# KiCad board ECUGDI.kicad_pcb (continued)
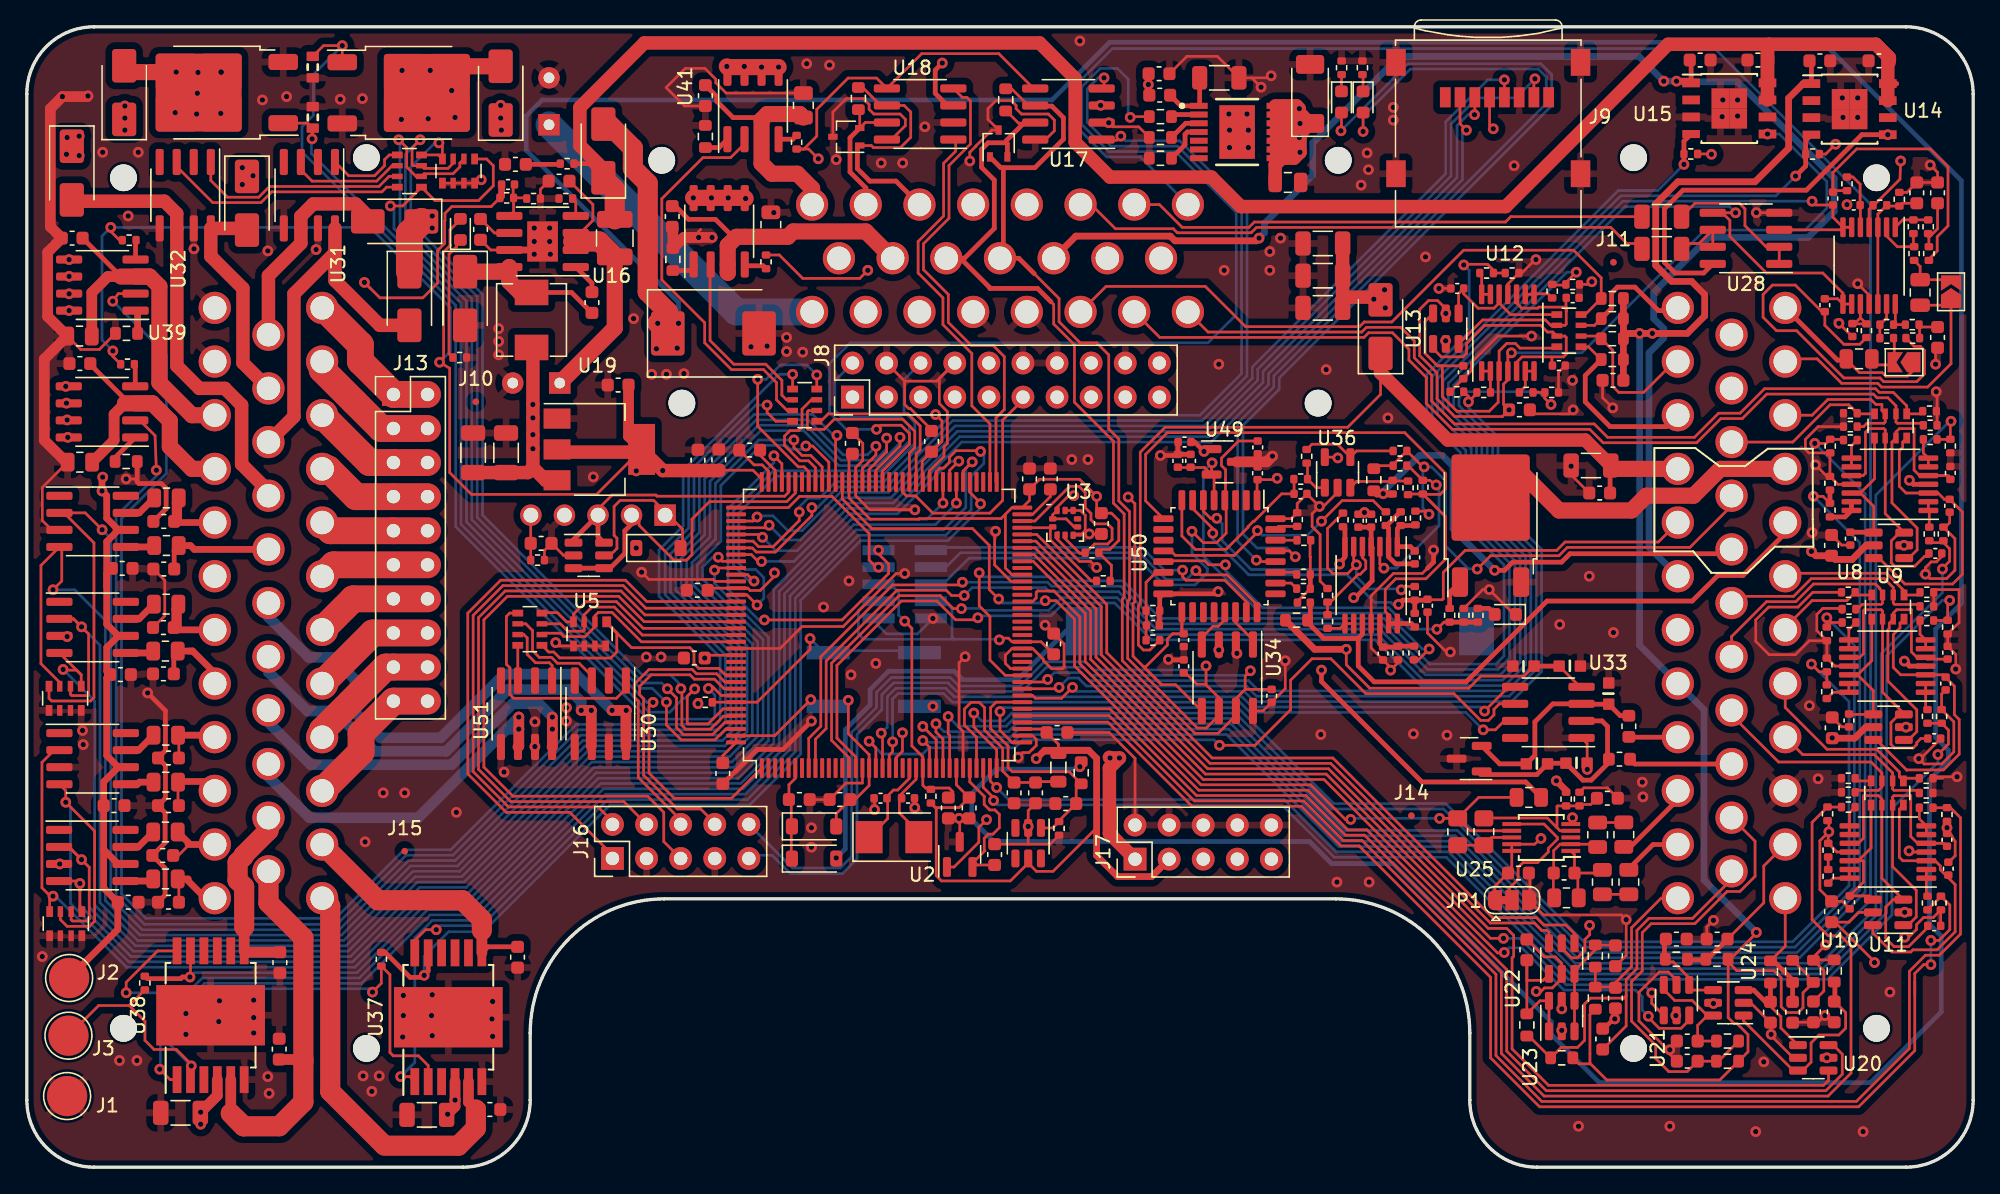
[diagram p0: board, top side]
## Routing (per net, layer and track width the routed paths; a pad name or vN(x,y) marks a point on that pad's centre or on a via; arc(x,y) is an arc through that point) (continued)
  Bottom w0.2: 72.2,28.25 v1(72.25,28.3) 73.15,27.4 93.67,27.4 97.57,23.5 105.91,23.5 115.01,14.4 133.98,14.4 138.55,18.97 138.55,38.1 142.7,42.25 v1(143.25,42.25)
/mcu/AV7: length 102.9
  Top w0.2: v1(70.55,33.85) 70.55,32.81 72.25,31.11 U4.36 ; R59.1 134.44,40.6 R63.2 v1(134.1,40.95)
  Bottom w0.2: v1(134.1,40.95) 136.15,38.9 136.15,20.83 131.72,16.4 115.84,16.4 105.54,26.7 97.19,26.7 90.04,33.85 73.38,33.85 72.79,33.26 71.14,33.26 v1(70.55,33.85)
/mcu/AV8: length 95.8
  Top w0.2: R60.1 R64.2 133.52,36.93 v1(132.95,37.5) ; v1(72.5,33.96) 72.5,32.56 73.39,31.66 U4.37
  Bottom w0.2: v1(132.95,37.5) 135.75,34.7 135.75,20.99 131.56,16.8 116.01,16.8 105.71,27.1 97.36,27.1 90.21,34.25 72.79,34.25 v1(72.5,33.96)
/mcu/AV9: length 99.7
  Top w0.2: R81.1 142.6,20.18 R85.2 143.26,19.54 143.26,17.71 142.45,16.9 v1(141.85,16.9) 141.85,16.95 141.95,17.05 ; v1(141.85,15.1) 141.32,15.1 140.65,14.43 140.65,13.8 ; 140.65,13.8 140.65,8.68 136.47,4.5 112.7,4.5 109.05,8.15 109.05,14.15 99.25,23.95 97.91,23.95 94.96,26.9 86.81,26.9 80.54,33.18 74.18,33.18 U4.40 ; 140.65,13.8 140.65,12.85
  Bottom w0.2: v1(141.85,15.1) v1(141.85,16.9)
/mcu/AV10: length 104.9
  Top w0.2: R82.1 143.04,26.79 R86.2 143.3,26.8 144.06,26.04 144.06,17.38 142.48,15.8 141.45,15.8 140.25,14.6 140.25,8.85 136.3,4.9 112.87,4.9 109.45,8.32 109.45,14.37 99.47,24.35 98.08,24.35 95.13,27.3 86.98,27.3 80.61,33.66 U4.41
/mcu/AV11: length 101.1
  Top w0.2: R83.1 134.16,26.84 R87.2 133,25.7 133,18.45 134.2,17.25 135.13,17.25 135.9,16.47 135.9,7.01 134.19,5.3 113.03,5.3 109.85,8.48 109.85,14.54 108.38,16.01 108.38,16.03 99.66,24.75 98.24,24.75 95.29,27.7 87.14,27.7 80.68,34.16 U4.42
/mcu/VDDA: length 16.8
  Top w0.2: U4.33 70.75,32.04 69.85,32.94 69.85,34.15 70.35,34.65 70.95,34.65 71.35,34.25 71.35,32.58 72.7,31.23 72.7,29.53 C77.1 C76.1 ; FB1.2 75.21,28.74 C76.1 ; C76.1 75.15,29
/psu/12v_PROT: length 141.7
  Top w0.35: C104.1 129.68,82.47 U15.8 U15.7 ; R102.1 41.9,74.8 D27.1 42.95,74.4 ; 139.3,80.75 139.28,80.77 U14.8 U14.7 ; 138.64,82.35 C101.1
  Top w1: 129.8,83.7 137.76,83.7 ; 129.8,83.7 129.68,83.58 ; 129.8,83.7 122.28,83.7 110.18,71.6 90.45,71.6 88.25,73.8 80.69,73.8 78.1,76.39 78.1,81.15 75.45,83.8 46.01,83.8 41.2,78.99 41.2,76.15 42.95,74.4 ; 137.76,83.7 138.76,82.7 C101.1 ; 137.76,83.7 138.64,82.82 U14.7 ; 129.68,83.58 U15.7 ; 129.68,83.58 U15.8
  Top w1.5: D27.1 43.8,72.9 L3.1
GND: length 532.2
  Top w0.2: v1(141.8,74.7) 142.35,74.15 C133.1 C130.1 140.06,72.66 R138.2 ; U8.11 134.92,50.9 R76.1 ; v1(143.8,29.1) 142.12,29.1 R77.2 142.74,28.99 ; C100.2 v1(105.2,65.5) 105,65.5 ; C80.2 135.21,32.82 C84.2 ; 79.68,47.2 v1(79.15,47.2) 78.05,47.2 U3.5 78.49,47.1 78.85,47.46 78.85,48.59 78.49,48.95 U3.8 U3.9 ; 104.35,44.65 103.96,44.26 101.81,44.26 100.15,42.59 U35.11 100.15,38.69 C17.2 101.6,37.24 v1(101.6,37.05) 102.15,37.6 R6.2 ; C21.2 104.35,39.81 105.76,38.4 v1(106.05,38.4) ; R97.1 106.04,57.8 C97.2 107.62,59.38 107.62,59.97 109.6,61.95 v1(112.1,61.95) 112,61.85 111.9,61.85 ; 111.75,16.98 113.05,15.68 113.88,15.68 114.35,15.2 114.35,14.36 ; 118.15,56.75 v1(118.15,56.6) 117.39,57.36 C96.1 ; 91.25,81.2 R36.1 88.7,82.8 86.42,82.8 C2.2 ; 91.25,81.2 v1(91.95,80.5) ; 91.25,81.2 92.55,81.2 v1(92.7,81.35) ; C85.2 135.21,46.37 C89.2 ; v1(118.3,11.05) 118.12,11.05 C117.2 117.57,10.33 v1(118.3,11.05) ; v1(118.3,11.05) 118.35,11.1 118.35,11.83 ; v1(33.85,73.6) 33.61,73.6 RN7.4 RN7.1 ; C122.2 122.4,8.88 v1(122.4,8.75) ; C86.2 143.25,48.04 142.78,47.57 ; v1(69.9,38.05) 69.45,37.6 69.45,32.78 69.75,32.48 U4.31 ; RN7.3 32.56,73.34 ; 50.2,69.9 50.05,69.75 v1(50.05,69.3) v1(51.05,69.3) ; R52.2 38.56,45.97 C78.2 39.99,45.6 U5.2 ; 35.94,68.37 34.56,68.37 C107.2 ; C12.1 v1(116.25,29.65) 116.24,31.58 U33.1 ; 72.32,77.31 71.89,77.31 70.7,76.12 70.7,76.1 70.25,75.65 v1(70.25,75) ; v1(74.6,25.4) 74.6,26.58 75.15,27.13 ; R152.2 5.4,60.95 4.01,60.95 R153.2 ; U4.48 73.29,37.16 72.9,37.55 72.9,38.17 73.39,38.66 U4.51 74.93,38.66 75.72,37.87 75.72,37.78 76.35,37.15 77.15,37.15 77.28,37.28 77.28,39 76.5,39.78 76.49,39.78 v1(75.86,40.4) ; U24.2 128.43,12.25 C120.2 129.95,10.73 v1(129.95,9.9) 129.95,9.8 131.6,8.15 U20.2 ; v1(63.15,26.65) 63.15,27.47 C69.2 ; 76.85,47.31 76.75,47.21 U3.3 ; R100.1 110.34,65.83 U12.11 ; C125.2 119.15,15.78 v1(119.15,18.45) ; v1(134.25,25) 134.25,25.73 R87.1 ; v1(134.25,25) 134.2,24.95 R88.1 134.85,23.49 U10.11 ; v1(134.25,25) 133.58,24.33 133.58,20.69 C90.2 135.25,19.82 C94.2 135.89,19.26 ; U36.2 97.65,50.3 96.7,49.35 96.4,49.35 v1(96.3,49.25) ; C138.1 135.98,61.92 v1(135,62.9) ; C91.2 143.18,22.73 143.66,23.21 143.66,24.27 v1(143.05,25.3) C92.2 ; v1(143.7,37.13) 143.71,37.14 143.71,38.22 C82.2 R62.1 143.95,40.59 143.95,43.02 143.92,43.05 142.26,43.05 R53.2 R54.2 ; v1(125.65,18.4) 125.15,17.9 C115.2 ; U4.120 51.29,43.66 51.14,43.81 46.34,43.81 v1(45.8,44.35) ; 63.6,49 v1(66.16,49) 62.8,49 61.75,50.05 U4.94 61.75,52.15 62.28,52.67 62.28,53.95 C57.1 ; R63.1 132.79,39.24 131.75,38.2 129.8,38.2 128.8,39.2 128.8,40.78 129.77,41.75 131.95,41.75 133.05,42.85 R56.2 ; R63.1 R64.1 134.7,37.35 U6.11 ; R63.1 133.35,39.99 133.35,41.2 133.8,41.65 134.94,41.65 135.24,41.35 ; 67.4,54.65 67.4,54.97 65.82,56.55 65.7,56.55 65.4,56.85 65.4,58.59 ; R76.1 134.33,53.23 134.34,53.24 R75.1 132.76,53.24 132.5,53.5 132.5,54.25 133.45,55.2 R67.2 ; R76.1 134.11,51.49 v1(133.25,52.35) ; C128.2 117.75,28.28 116,28.28 R132.1 ; U4.38 74.93,32.16 75.2,31.89 75.2,31.43 74.92,31.15 74.91,31.15 74.66,30.9 74.2,30.9 v1(73.85,30.55) ; 116.5,66 v1(116.59,66) 116.39,65.8 R99.1 ; 96.9,43.14 96.35,43.69 96.35,47.15 95.75,47.75 95.75,48.7 v1(96.3,49.25) ; R44.2 v1(50,34.55) 50.04,34.74 ; U34.8 92.09,34.01 C15.1 93.75,35.67 v1(93.75,37.75) 93.75,37.65 ; 76.8,47.2 76.75,47.15 U3.3 ; v1(96.3,49.25) 95.37,50.18 C23.2 94.64,49.46 R32.1 94.19,48.34 U50.32 ; 65.4,58.59 67.78,58.59 J8.8 67.98,58.79 67.98,56.92 68.57,56.33 68.57,53.93 68.33,53.69 68.33,52.99 67.25,51.91 U4.83 ; 65.4,58.59 J8.4 ; v1(115.15,26.05) 115.03,25.93 U25.5 ; v1(122.4,8.75) 122.4,8.43 C116.2 ; v1(122.4,8.75) 122.25,8.75 120.1,10.9 120.1,13.04 121.61,14.55 122.29,14.55 122.9,13.94 U21.2 ; v1(136.4,65.85) 137.25,65 U27.11 ; D3.1 110.8,41.2 v1(108.95,43.05) 108.46,43.05 R22.1 ; R51.2 76.24,24.08 74.6,24.08 ; 37.78,68.37 U16.9 ; R159.2 52.1,80.06 51.33,80.83 51.33,81.09 50.52,81.9 49.05,81.9 47.62,80.48 49,79.1 C149.2 ; 111.37,66.65 112.38,67.65 v1(112.43,67.65) ; U3.3 76.75,46.83 78.43,45.15 79.25,45.15 v1(79.7,44.7) ; RN5.4 RN5.1 39.65,38.85 v1(39.4,39.1) ; U28.4 130.54,71.15 v1(128.85,71.15) ; U22.2 114.35,14.06 113.65,13.36 113.06,13.36 112.8,13.1 v1(112.45,13.1) 112.75,13.05 ; U4.130 56.11,38.66 57.75,40.3 60.82,40.3 64.77,44.25 v1(65.4,44.25) ; v1(7.4,51.3) 8,51.3 8.22,51.08 ; C70.2 66.15,27.48 v1(66.15,26.8) ; C11.2 115.05,51.6 v1(115.05,52.25) ; v1(115.2,56.45) 114.9,56.15 112.28,56.15 C95.2 ; 139.84,18.99 139.85,18.99 v1(139.9,19) 139.83,18.99 U11.2 ; C124.2 134.45,10.8 v1(133.95,11.3) 133.45,10.8 C118.2 131.57,10.8 C114.2 ; C154.2 10.28,43.74 10.28,41.1 C155.2 ; J17.2 82.56,30.47 80.63,32.4 C67.1 ; U4.61 73.33,43.66 72.1,44.89 72.1,47.33 v1(72.17,47.4) 72.1,47.4 72,47.3 ; R66.2 142.31,57.74 v1(142.25,57.8) 142.25,57.45 142.31,57.39 ; C81.2 142.65,35.27 R61.1 143.56,33.2 143.56,30.95 142.67,30.06 141.34,30.06 v1(140.95,30.45) 141.08,30.45 C83.2 142.58,31.93 ; v1(142.2,59.85) 142.2,60.93 C134.1 ; R73.1 143.64,46.85 143.64,44.49 143.02,43.87 141.78,43.87 v1(141.45,44.2) 141.45,44.7 141.87,45.12 142.26,45.12 142.66,45.52 ; C65.2 74.6,24.08 ; 74.6,24.08 U26.2 ; 53.08,53.45 54.17,52.35 54.78,52.35 55.25,51.88 U4.107 ; 2.42,47.5 1.85,47.5 1.15,48.2 1.15,50.66 R162.2 ; R105.2 38.26,72.89 C106.2 ; v1(69.45,26) 69.5,25.95 U2.3 ; C93.2 142.58,19.16 R85.1 142.03,18.61 141.31,18.61 140.78,18.08 140.78,17.72 140.2,17.14 v1(139.9,17.14) ; D30.3 60.05,78.65 61.05,79.65 62.31,79.65 62.75,79.21 62.75,78.85 63.1,78.5 65.06,78.5 65.45,78.11 65.45,77.63 64.42,76.6 U18.8 ; C68.1 C74.1 ; R98.1 114.11,59.24 C98.2 ; D29.3 71.6,78.11 71.6,78.9 72.2,79.5 73.34,79.5 73.7,79.14 73.7,78.9 74.1,78.5 76.1,78.5 76.55,78.05 76.55,77.25 75.9,76.6 U17.8 ; v1(80.6,77.85) 80.9,77.55 82.83,77.55 R2.2 ; v1(119.15,18.45) 118.8,18.8 112.99,18.8 111.97,19.82 111.97,21.85 C129.2 ; v1(119.15,18.45) 119.2,18.45 ; U4.16 62.25,28.63 61.03,28.63 C64.1 C75.2
  Top w0.35: 8.22,52.6 8.22,51.08 8.34,50.96 10.01,50.96 10.38,50.59 10.38,49.09 C153.2 ; 104.35,44.65 104.8,45.1 v1(104.8,46) 104.85,45.95 ; C28.2 C27.2 ; C27.2 85.75,54.03 C25.2 ; C27.2 85.67,53.05 v1(84.45,53.05) ; v1(85.05,37.85) 85.09,37.82 C16.2 ; C30.2 86.19,38.74 ; 55.43,71.33 55.61,71.33 v1(55.65,71.15) 55.26,71.33 55.39,71.33 ; v1(58.45,33.25) 56.34,31.14 54.41,31.14 C63.1 ; v1(88.75,42.9) 88.59,42.74 84.68,42.74 84.4,42.46 R31.2 84.37,41.46 C24.2 ; v1(9,35.35) 10.33,34.03 10.33,31.05 9.78,30.5 10.33,29.95 10.33,27.5 9.78,26.95 10.3,26.43 10.3,24.19 C167.2 10.3,22.29 10.3,20.28 9.78,19.75
  Top w0.5: 35.94,68.37 37.78,68.37
  Top w0.8: v1(4.55,79.85) 4.5,79.8 v1(2.65,79.8) 1.75,78.9 1.75,70.1 C147.2 1.55,68.2 1.55,63.41 3.01,61.95 R153.2 1.3,60.24 1.3,54.18 2.93,52.55 R162.2 ; U49.3 92.38,52.58 v1(92.8,53) ; C148.2 48.13,70.04 R155.2 48.94,69.3 ; 48.94,69.3 v1(51.05,69.3) ; 48.94,69.3 v1(50.05,69.3) ; J4.1 13.4,64.05
  Bottom w0.2: v1(67.5,40.9) 66.35,39.75 64.04,39.75 63.45,40.34 J7.10
  vias: v1(1.15,15.7) v1(2.45,22.6) v1(3,39.55) v1(4.15,32.55) v1(4.2,31.5) v1(5.65,75.65) v1(6.9,7.95) v1(7.55,70.9) v1(8.2,7.95) v1(8.3,75.65) v1(11.85,11.45) v1(11.85,9.9) v1(12.45,68.45) v1(14.35,12.4) v1(14.3,10.85) v1(16.9,12.45) v1(16.9,11.15) v1(16.9,10) v1(17.55,79.55) v1(17.95,68.3) v1(17.95,6.75) v1(18.05,5.5) v1(19.35,79.8) v1(21.55,68.4) v1(23.35,79.6) v1(25,79.65) v1(25.05,6.8) v1(25.2,24.25) v1(25.7,5.65) v1(26.25,6.8) v1(26.55,27.9) v1(28.05,12.8) v1(28.05,11.3) v1(28,9.7) v1(28.15,27.9) v1(30.2,12.85) v1(30.15,11.3) v1(30.2,9.8) v1(32,26.45) v1(34.7,12.35) v1(34.65,11.05) v1(34.7,9.75) v1(35.15,62.5) v1(35.15,61.55) v1(35.15,60.55) v1(35.55,29.45) v1(37.8,70) v1(37.8,69) v1(37.8,68.05) v1(37.85,33.2) v1(37.85,31.35) v1(38.95,70) v1(38.95,69) v1(39,68.05) v1(40.2,34.25) v1(40.19,33.26) v1(42.2,51.45) v1(45.2,63.25) v1(46.15,38.03) v1(46.55,59.1) v1(47.25,38.03) v1(47.65,59.1) v1(48.95,59.15) v1(53.95,61.15) v1(55.15,61.2) v1(56.6,61.85) v1(56.6,60.8) v1(57.8,60.75) v1(58.1,82.25) v1(58.45,25.3) v1(58.45,23.85) v1(59.35,41.75) v1(59.8,82.15) v1(60.3,75.1) v1(61.25,43.7) v1(61.4,36.7) v1(63.25,37.55) v1(63.65,74.85) v1(65.25,74.85) v1(66.9,77.55) v1(77.85,52.75) v1(78.45,83.95) v1(79.05,52.75) v1(88.8,59.85) v1(89.2,66.85) v1(90.15,38.3) v1(92.6,68.25) v1(92.6,66.85) v1(93.4,69.25) v1(96.4,32.25) v1(96.8,59.45) v1(97.6,21.25) v1(99.4,73.2) v1(99.65,48.8) v1(99.85,75.6) v1(99.95,74.35) v1(100,21.25) v1(101.4,55.85) v1(101.8,79) v1(101.8,78.05) v1(103.3,32.3) v1(104.2,67.85) v1(105.7,61.6) v1(105.8,32.2) v1(110.8,74.65) v1(114.2,40.45) v1(114.35,10.2) v1(115.15,58.65) v1(115.6,3.05) v1(116.4,44.05) v1(118.2,39.85) v1(120.35,28.7) v1(120.4,27.6) v1(122.4,3.05) v1(126.35,79.55) v1(126.3,78.3) v1(127.45,79.55) v1(127.45,78.35) v1(128.8,2.65) v1(129.4,7.85) v1(132.8,34.4) v1(133,47.3) v1(133.45,28.95) v1(135.25,79.7) v1(135.3,78.25) v1(135.6,71.75) v1(136.4,79.7) v1(136.4,78.25) v1(136.8,2.65) v1(138.8,13.05) v1(139.85,46.35) v1(140,32.8)
VDDA: length 34.1
  Top w0.2: 88.26,52.59 88.26,52.54 v1(88.3,52.5) 88.26,52.47 U49.2 ; 85.74,52.1 85.79,52.15 87.74,52.15 U49.2 ; R5.1 103.67,37.82 v1(104.47,38.63) ; U49.2 88.45,51.44 U50.5
  Bottom w0.2: v1(88.3,52.5) 87.65,51.85 87.65,45.55 91.9,41.3 101.28,41.3 103.96,38.63 v1(104.47,38.63)
/AT1: length 13.6
  Top w0.2: RN4.1 116.34,61.15 R89.2
  Top w0.35: R89.2 116.1,59.01 116.1,57.05 117.95,55.2 122.15,55.2 J5.33
/AT2: length 11.5
  Top w0.2: J5.34 122.75,60.05 120.45,57.75 118.6,57.75 118.15,58.2 118.15,60.89 R90.2 117.09,61.95 RN4.2
/AT3: length 9.9
  Top w0.2: R91.2 116.79,62.75 RN4.3
  Top w0.35: J5.35 122.8,63.85 121.55,63.85 119.8,65.6 118.5,65.6 118.06,65.16 118.06,64.03 R91.2
/AT4: length 47.6
  Top w0.2: RN4.4 116.09,63.55 R92.2 117.29,66.29 115.23,68.35 107.04,68.35 101.69,63 99.63,63 99.28,62.65 90.8,62.65 87.8,65.65 80.4,65.65 J6.6
/AUX_SPI_CS: length 58
  Top w0.2: U4.18 63.25,31.25 v1(62.75,31.75) ; v1(88.85,31.45) 91.5,31.45 94.15,34.1 94.15,36.3 95.75,37.9 97.15,37.9 99.75,35.3 106.31,35.3 108.31,33.3 108.89,33.3 109.3,33.71 109.3,34.13 109.7,34.54 U33.6
  Bottom w0.2: v1(62.75,31.75) 63.7,30.8 66.74,30.8 67.2,31.26 73.62,31.26 74.21,31.85 88.45,31.85 v1(88.85,31.45)
/AUX_SPI_CS1: length 17.6
  Top w0.2: J8.11 74.21,57.19 72.7,55.68 72.7,49.7 71.75,48.75 67.5,48.75 66.21,50.04 65.52,50.04 65.25,50.31 U4.87
/AUX_SPI_MISO: length 53.6
  Top w0.2: v1(64.5,31.7) 64.5,30.97 64.25,30.72 U4.20 ; v1(108.5,32.6) 109.4,32.6 110.06,33.27 110.88,33.27
  Bottom w0.2: v1(108.5,32.6) 107.2,33.9 91.13,33.9 90.36,34.66 68.94,34.66 68.3,35.3 64.9,35.3 64.5,34.9 v1(64.5,31.7) 64.5,32.1
/AUX_SPI_MOSI: length 2.8
  Top w0.2: U4.21 64.75,30.52 65.23,31 v1(65.23,32.38)
/AUX_SPI_SCK: length 54
  Top w0.2: 63.75,32.25 U4.19 ; v1(108.6,34) 110.41,35.81 U33.5
  Bottom w0.2: v1(108.6,34) 108.3,34.3 91.29,34.3 90.53,35.06 69.1,35.06 68.47,35.7 64.73,35.7 64.1,35.07 64.1,32.8 v1(63.65,32.35) 63.65,32.25
/CAN2+: length 10.1
  Top w0.2: U18.7 62.47,77.87 D30.2 62.05,78.73 R108.1
  Top w0.35: J6.17 62.5,73 61.32,74.18 61.32,76.73 D30.2
/CAN2-: length 18.3
  Top w0.2: R108.2 62.27,80.48 63.61,79.14 U18.6 65.36,79.14 65.85,78.65 65.85,76.76 65.09,76 63.06,76 62.91,76.15 62.06,76.15 62.05,76.16
  Top w0.35: J6.18 64.75,73.5 62.8,73.5 61.88,74.43 61.88,75.98 62.05,76.16
/CAN+: length 125.8
  Top w0.2: v1(91.15,37) 90.76,36.62 90.76,35.62 ; 90.76,35.62 C15.2 ; 90.76,35.62 90.07,34.93 U34.7 90.07,33.67 88.74,32.34 87.03,32.34 81.61,37.76 81.61,42.35 81.75,42.49 81.75,48.69 80.95,49.49 80.95,54.11 78.04,57.02 78.04,61.31 76.5,62.85 76.5,64.3 76.3,64.5 ; R107.1 72.97,78.73 73.88,77.82 75.05,77.82
  Top w0.35: D29.2 73.05,76.28 72.97,76.36 ; 76.3,64.5 75.3,65.5 71.75,65.5 71.75,65.55 69.55,67.75 J6.11 69.85,67.75 72.07,69.98 72.07,73.58 71.12,74.53 71.12,75.87 71.61,76.36 72.97,76.36 ; 72.97,76.36 72.97,76.53 74.27,77.82 75.05,77.82
  Bottom w0.2: v1(91.15,37) 90.81,36.66 79.3,36.66 78.7,37.26 75.96,37.26 74.16,35.46 69.27,35.46 68.63,36.1 64.57,36.1 63.7,35.23 63.7,34.1 61.85,32.25 61.85,22.98 60.77,21.9 56.87,21.9 55.52,23.25 54.03,23.25 J16.9
/CAN-: length 120.2
  Top w0.2: 87.8,36 87.16,36 86.3,36.86 C16.1 ; 87.8,36 87.85,36.05 v1(87.85,37.36) ; 87.8,36 88.81,35 U34.6 88.81,33.67 87.87,32.74 87.2,32.74 82.01,37.92 82.01,42.18 82.15,42.32 82.15,48.86 81.35,49.66 81.35,54.28 80.6,55.03 80.6,60.55 79.7,61.45 78.44,61.45 78.44,61.47 76.9,63.02 76.9,64.75 75.05,66.6 ; R107.2 73.37,80.38 74.66,79.09 75.05,79.09 ; 71.68,75.31 71.68,75.43
  Top w0.35: 75.05,79.09 76.36,79.09 77.22,78.23 77.22,76.63 75.1,74.5 72.56,74.5 D29.1 ; 72.75,74.5 72.75,68 J6.12 73.9,67.75 75.05,66.6
  Bottom w0.2: J16.10 57.04,22.3 60.6,22.3 61.45,23.15 61.45,32.42 63.3,34.27 63.3,35.4 64.4,36.5 68.8,36.5 69.43,35.86 73.99,35.86 75.79,37.66 78.87,37.66 79.47,37.06 87.76,37.06 87.85,37.15 v1(87.85,37.36)
/DIGITAL_1: length 8.9
  Top w0.2: R115.2 131,16.48 J5.1
  Top w0.35: 130.05,15.42 130.08,15.42 131.55,13.95 R109.2 C114.1
/DIGITAL_2: length 12.7
  Top w0.2: J5.2 129.4,22.45 129.4,19.7 C115.1
  Top w0.35: C115.1 125.15,15.45 123.66,15.45 123.53,15.31
/DIGITAL_3: length 33.2
  Top w0.2: R117.2 126.03,7.9 R111.2 C116.1 123.7,7.13 122.32,7.13 121.35,8.1 121.35,9.08 119.55,10.88 119.55,13.83 120.35,14.63 120.35,17.48 121.02,18.15 124.27,18.15 126.67,20.55 127.62,20.55 128.75,21.68 128.75,24.3 J5.14
/DIGITAL_4: length 30.7
  Top w0.2: 119.15,12.78 119.15,13.99 119.95,14.79 119.95,17.65 120.85,18.55 124.1,18.55 127,21.45 J5.13 ; 119.15,12.78 119.15,10.53 C117.1 ; 119.15,12.78 118.97,12.6 116.49,12.6 116.05,12.16 116.05,9.45 115.53,8.93 114.3,8.93 R112.2 111.9,9.78 R118.2
/DIGITAL_5: length 143
  Top w0.2: R113.2 132.8,15.73 ; R113.2 133.12,15.45 R119.2 ; R113.2 133.88,14.65 133.88,13.13 C118.1 ; R113.2 133.1,15.66 v1(134,16.56) 134.1,16.47 134.1,16.45 ; 134.72,15.48 134.8,15.48
  Bottom w0.2: v1(134,16.56) 137.35,19.91 137.35,71.78 125.75,83.38 80.87,83.38 78.2,80.71 78.2,77.55 80.45,75.3 82.95,75.3 J6.23
/DIGITAL_6: length 12.3
  Top w0.2: J5.24 121.75,20.05 119.55,17.85 119.55,14.96 118.35,13.76 C119.1 118.3,13.43 R114.2 R120.2
/EGT+: length 7.7
  Top w0.35: J5.15 119.8,30.05 L2.1
/EGT-: length 3.7
  Top w0.35: J5.27 119.38,32.05 L1.1
/ETB1+: length 30.1
  Top w0.8: 15.58,3.63 15.19,4.01 ; C145.2 20.42,8.03 20.5,7.95 ; 15.19,4.45 U38.5
  Top w1.5: 16.15,3.05 18.8,3.05 20.6,4.85 20.6,7.85 20.5,7.95 20.6,8.05 20.6,17.1 18,19.7 J4.23 ; 16.15,3.05 15.58,3.63 ; 16.15,3.05 15.19,4.01
/ETB1-: length 13.8
  Top w0.8: C146.1 16.29,16.03 U38.7 16.19,17.9
  Top w1.5: 16.19,17.9 16.19,20.9 15.7,21.39 15.7,22.71 16.15,23.16 16.15,23.25 18,25.1 J4.22
  Top w2: 17.95,26.05 J4.22
/ETB2+: length 32
  Top w0.8: 26.55,1.7 26.65,1.6 ; 33.72,4.03 C142.2 33.45,4.3 32.9,4.85 U37.5
  Top w1.5: J4.35 22.6,19.45 22.6,5.65 26.55,1.7 ; 26.65,1.6 32.15,1.6 33.45,2.9 33.45,4.3
/ETB2-: length 19.5
  Top w0.35: C143.1 34.35,16.43 U37.7
  Top w0.8: 33.9,17.65 U37.7
  Top w1.5: 33.9,17.65 33.9,18.45 32.45,19.9 26.15,19.9 J4.34
/etb-1/DIR: length 89.6
  Top w0.2: 69.25,49.6 v1(69.25,49.5) U4.79 ; U38.1 10.67,6.53 v1(9.9,7.3)
  Bottom w0.2: v1(69.25,49.5) 69.25,49.45 67.7,47.9 61.6,47.9 56.45,42.75 56.45,31.3 53.35,28.2 42.95,28.2 33.55,18.8 30.03,18.8 24.93,13.7 13.23,13.7 12.13,12.6 10.45,12.6 9.95,12.1 9.95,7.35 v1(9.9,7.3)
/etb-1/DIS: length 87.3
  Top w0.2: U38.11 12.19,14.21 v1(12.15,14.17) ; U4.80 68.75,51.94 v1(69.43,52.63) 69.35,52.71
  Top w0.35: R150.1 8.97,14.05 11.47,14.05 11.59,14.17 v1(12.15,14.17)
  Bottom w0.2: v1(12.15,14.17) 12.48,14.5 24.6,14.5 29.7,19.6 33.18,19.6 42.58,29 53.02,29 55.65,31.63 55.65,43.08 61.27,48.7 64.87,48.7 68.79,52.63 v1(69.43,52.63)
/etb-1/PWM: length 89.7
  Top w0.2: U4.81 68.25,49.6 ; v1(7.4,13) 7.4,13.78 9.74,16.13 U38.12
  Bottom w0.2: v1(68.25,49.5) 67.05,48.3 61.44,48.3 56.05,42.91 56.05,31.46 53.19,28.6 42.75,28.6 33.35,19.2 29.87,19.2 24.77,14.1 13.07,14.1 11.97,13 v1(7.4,13)
/etb-2/DIR: length 79.6
  Top w0.2: v1(70.43,52.57) 69.75,51.89 U4.78 ; v1(27.85,6.75) 28.53,6.75 U37.1
  Bottom w0.2: v1(70.43,52.57) 69.95,52.09 69.95,49.17 68.28,47.5 61.77,47.5 56.85,42.58 56.85,31.13 53.52,27.8 43.12,27.8 33.72,18.4 30.2,18.4 28.9,17.1 28.9,7.8 v1(27.85,6.75) 28.7,7.6
/etb-2/DIS: length 71.5
  Top w0.2: v1(71.05,49.45) 71.05,49.51 70.25,50.31 U4.77
  Top w0.35: R149.1 26.69,16.01 28.55,14.15 29.42,14.15 29.9,14.63 U37.11
  Bottom w0.2: v1(71.05,49.45) 71.05,49.13 68.62,46.7 62.1,46.7 57.65,42.25 57.65,30.8 53.85,27 43.45,27 34,17.55 31.42,17.55 29.6,15.73 v1(29.6,14.3)
/etb-2/PWM: length 72.2
  Top w0.2: U37.12 28.9,16.9 29.7,17.7 v1(30.5,17.7) ; U4.82 67.75,51.84 68.02,52.11 68.31,52.11 68.73,52.53 68.73,52.92 69.22,53.41 70.99,53.41 v1(71.05,53.35)
  Bottom w0.2: v1(30.5,17.7) 30.8,18 33.88,18 43.28,27.4 53.68,27.4 57.25,30.97 57.25,42.42 61.93,47.1 68.45,47.1 70.35,49 70.35,51.5 71.3,52.45 71.3,53.1 v1(71.05,53.35)
/highside_quad/IN1: length 15.9
  Top w0.2: RN13.4 v1(58.85,59.05) 58.7,59.2 ; U4.101 58.25,51.85 57.9,52.2 57.47,52.2 54.45,55.22 v1(54.45,58.72)
  Bottom w0.2: v1(58.85,59.05) 58.1,59.8 56.15,59.8 55.07,58.72 v1(54.45,58.72)
/highside_quad/IN2: length 9.1
  Top w0.2: U4.100 58.75,52.13 58.23,52.65 57.58,52.65 56.44,53.79 56.44,54.5 56.85,54.91 57.51,54.91 57.75,55.15 57.75,56.5 58.45,57.2 RN13.3
/highside_quad/IN3: length 14.6
  Top w0.2: RN13.2 58.25,56.4 58.15,56.3 58.15,55.05 58.2,55 59.4,55 60.15,55.75 65.26,55.75 66.15,54.86 66.15,53.63 65.75,53.23 U4.86
/highside_quad/IN4: length 12.6
  Top w0.2: RN13.1 59.15,55.6 59.7,56.15 65.65,56.15 66.55,55.25 66.55,53.47 66.25,53.17 U4.85
/HS1: length 27.7
  Top w0.35: 4.15,69.35 4.15,69.26 7.02,66.39
  Top w0.8: R153.1 4.84,65.19 6.03,66.39 U39.3
  Top w1.2: 9.15,66.39 7.02,66.39 ; 9.15,66.39 9.88,65.66 9.88,58.48 12.3,56.05 J4.3 ; 9.15,66.39 U39.3
/HS2: length 23.9
  Top w0.35: C148.1 48.31,71.64 49.3,70.65 51.3,70.65 52.6,69.35 53.51,69.35
  Top w0.8: 53.51,69.35 R156.1
  Top w1.2: 52.23,66.66 52.22,66.68 U40.3 52.22,68.7 52.87,69.35 56.69,69.35 57.09,69.75 62.5,69.75 J6.10
/HS3: length 19.6
  Top w0.35: C149.1 51.4,79.8 51.4,79.45 52.61,78.24 54.9,78.24
  Top w0.8: 54.9,78.24 54.73,78.07 54.73,76.63
  Top w1.2: R159.1 57.59,78.5 55.16,78.5 54.73,78.07 54.73,74.82 55.5,74.05 57.4,74.05 58.5,72.95 J6.16
/HS4: length 21.9
  Top w0.35: 4.72,59.9 4.72,59.84 7.63,56.94 8.08,56.94
  Top w0.8: 8.08,56.94 7.31,56.94 6.5,56.13 6.5,54.19 R162.1
  Top w1.2: 9.35,56.94 8.08,56.94 ; 9.35,56.94 10.65,55.64 10.65,53.7 12.3,52.05 J4.4 ; 9.35,56.94 7.31,56.94
/IGN1: length 4.9
  Top w0.2: R171.1 11.33,32.14 C165.1
  Top w0.5: 11.16,32.05 11.31,32.2 13.85,32.2 J4.9 ; 11.41,32.05 R171.1
/ign1/IN1: length 91.9
  Top w0.2: v1(51.23,44.51) 51.38,44.66 U4.118 ; RN16.8 1.7,19.95 v1(1.95,20.2) 1.75,20.2 1.12,20.83 1.12,30.18 2.03,31.09 2.42,31.09
  Bottom w0.2: v1(1.95,20.2) 2.13,20.2 7.43,14.9 24.44,14.9 29.54,20 33.02,20 42.42,29.4 52.86,29.4 55.25,31.79 55.25,39.5 51.23,43.52 v1(51.23,44.51)
/ign1/IN2: length 100.5
  Top w0.2: 51.54,45.64 51.54,45.49 v1(51.51,45.47) 51.81,45.16 U4.117 ; RN16.7 2.5,18.45 3,17.95 4.67,17.95 5.05,18.33 5.05,25.05 v1(2.9,27.2) 2.9,28.07 2.42,28.55
  Bottom w0.2: v1(51.51,45.47) 51.09,45.47 50.35,44.73 50.35,43.83 54.85,39.33 54.85,31.96 52.69,29.8 42.25,29.8 32.85,20.4 29.37,20.4 24.27,15.3 7.6,15.3 3.25,19.65 3.25,26.85 v1(2.9,27.2)
/ign1/IN3: length 104.2
  Top w0.2: v1(57.14,54.21) 57.14,53.66 57.75,53.05 58.4,53.05 59.25,52.2 U4.99 ; 3.13,23.87 4.65,22.35 4.65,18.5 4.5,18.35 3.4,18.35 3.3,18.45 RN16.6 ; 3.13,23.87 U48.2 ; 3.13,23.87 v1(4.08,22.93)
  Bottom w0.2: v1(57.14,54.21) 54.54,54.21 51.3,50.97 51.3,46.81 49.55,45.06 49.55,43.5 54.05,39 54.05,32.29 52.36,30.6 41.92,30.6 32.57,21.25 29.09,21.25 23.94,16.1 7.93,16.1 4.65,19.38 4.65,22.35 v1(4.08,22.93)
/ign1/IN4: length 97.7
  Top w0.2: RN16.5 3.95,19.2 v1(3.95,21.15) ; v1(3.95,21.15) 3.77,21.33 U48.4 ; v1(3.95,21.15) 3.95,20.55 ; U4.98 59.75,52.55 58.55,53.75 v1(58.04,53.75) 58.05,53.75
  Bottom w0.2: v1(3.95,21.15) 3.95,19.52 7.77,15.7 24.11,15.7 29.26,20.85 32.74,20.85 42.09,30.2 52.52,30.2 54.45,32.13 54.45,39.17 49.95,43.67 49.95,44.89 51.7,46.64 51.7,50.8 54.71,53.81 56.55,53.81 56.85,53.51 57.79,53.51 v1(58.04,53.75)
/IGN2: length 5.1
  Top w0.2: R172.1 11.26,27.01 C166.1
  Top w0.5: 11.01,28.7 11.06,28.75 13.3,28.75 J4.10
/ign2/IN1: length 142.5
  Top w0.2: U4.97 60.25,54.45 v1(60.35,54.55) ; RN14.8 1.65,34.95 1.85,34.75 4.75,34.75 5,35 5,46.54 2.77,48.77 2.42,48.77 4.35,48.77 v1(5.61,47.51)
  Bottom w0.2: v1(5.61,47.51) 6.25,46.87 6.25,20.04 8.59,17.7 23.28,17.7 28.43,22.85 31.91,22.85 41.26,32.2 51.67,32.2 52.45,32.98 52.45,38.34 47.95,42.84 47.95,45.72 49.7,47.47 49.7,51.63 54.18,56.11 58.54,56.11 60.1,54.55 v1(60.35,54.55) 60.4,54.6 60.4,54.75
/ign2/IN2: length 135.8
  Top w0.2: RN14.7 2.45,36.13 1.05,37.53 1.05,44.86 2.42,46.23 2.6,46.06 2.6,43.69 v1(1.95,43.04) ; v1(63.26,53.74) 63.26,53.09 62.25,52.08 U4.93
  Bottom w0.2: v1(1.95,43.04) 3.56,43.04 5.85,40.75 5.85,19.88 8.43,17.3 23.44,17.3 28.59,22.45 32.07,22.45 41.42,31.8 51.83,31.8 52.85,32.82 52.85,38.51 48.35,43.01 48.35,45.56 50.1,47.31 50.1,51.46 54.34,55.7 56.52,55.7 56.52,55.71 58.21,55.71 60.81,53.1 62.62,53.1 v1(63.26,53.74)
/ign2/IN3: length 129.1
  Top w0.2: 3.48,40.87 4.6,39.75 4.6,35.2 4.55,35.15 3.35,35.15 3.25,35.25 RN14.6 ; 3.48,40.87 v1(4.08,40.28) ; 3.48,40.87 2.42,40.87 ; v1(64.05,54.34) 64.05,53.32 62.75,52.02 U4.92
  Bottom w0.2: v1(64.05,54.34) 64.05,53.54 63.21,52.7 60.65,52.7 58.04,55.31 56.69,55.31 56.68,55.3 54.5,55.3 50.5,51.3 50.5,47.14 48.75,45.39 48.75,43.17 53.25,38.67 53.25,32.65 52,31.4 41.59,31.4 32.24,22.05 28.76,22.05 23.61,16.9 8.26,16.9 5.45,19.71 5.45,38.9 v1(4.08,40.28)
/ign2/IN4: length 123.1
  Top w0.2: v1(65.05,54.4) 65.05,53.75 63.25,51.95 U4.91 ; 2.9,37.05 2.85,37.05 v1(2.7,37.1) 2.95,37.05 3.7,37.05 4.05,36.71 ; 4.05,36.71 2.42,38.33 ; 4.05,36.71 RN14.5
  Bottom w0.2: v1(65.05,54.4) 65.05,53.98 63.37,52.3 60.48,52.3 57.88,54.91 56.85,54.91 56.85,54.9 54.67,54.9 50.9,51.13 50.9,46.97 49.15,45.22 49.15,43.34 53.65,38.84 53.65,32.46 52.19,31 41.76,31 32.41,21.65 28.92,21.65 23.77,16.5 8.1,16.5 5.05,19.55 5.05,34.75 v1(2.7,37.1)
/IGN3: length 4.8
  Top w0.2: C167.1 11.29,23.24 12.14,24.09
  Top w0.5: 12.14,24.09 R173.1 ; J4.11 12.01,24.05
/IGN4: length 5.2
  Top w0.2: C168.1 11.33,21.4 R174.1
  Top w0.5: J4.12 13.3,20.05 11.9,21.45 ; 12.03,21.49 R174.1
/IGN5: length 6.6
  Top w0.35: C153.1 10.97,49.55 R163.1
  Top w0.5: J4.5 11.14,48.05 ; 11.31,48.05 R163.1
/IGN6: length 8.7
  Top w0.35: C154.1 10.97,46 R164.1
  Top w0.5: J4.17 12.47,46.05 12.19,46.34 R164.1
/IGN7: length 6.8
  Top w0.35: R165.1 10.95,41.63 C155.1
  Top w0.5: J4.7 11.01,40.05 ; 11.29,40.05 R165.1
/IGN8: length 6.3
  Top w0.35: C156.1 10.95,38.18 R166.1
  Top w0.5: 12.36,38.47 R166.1 ; 12.36,38.47 12.08,38.47 ; 12.36,38.47 14,36.83 J4.8
